# KiCad board USB_panel.kicad_pcb (continued)
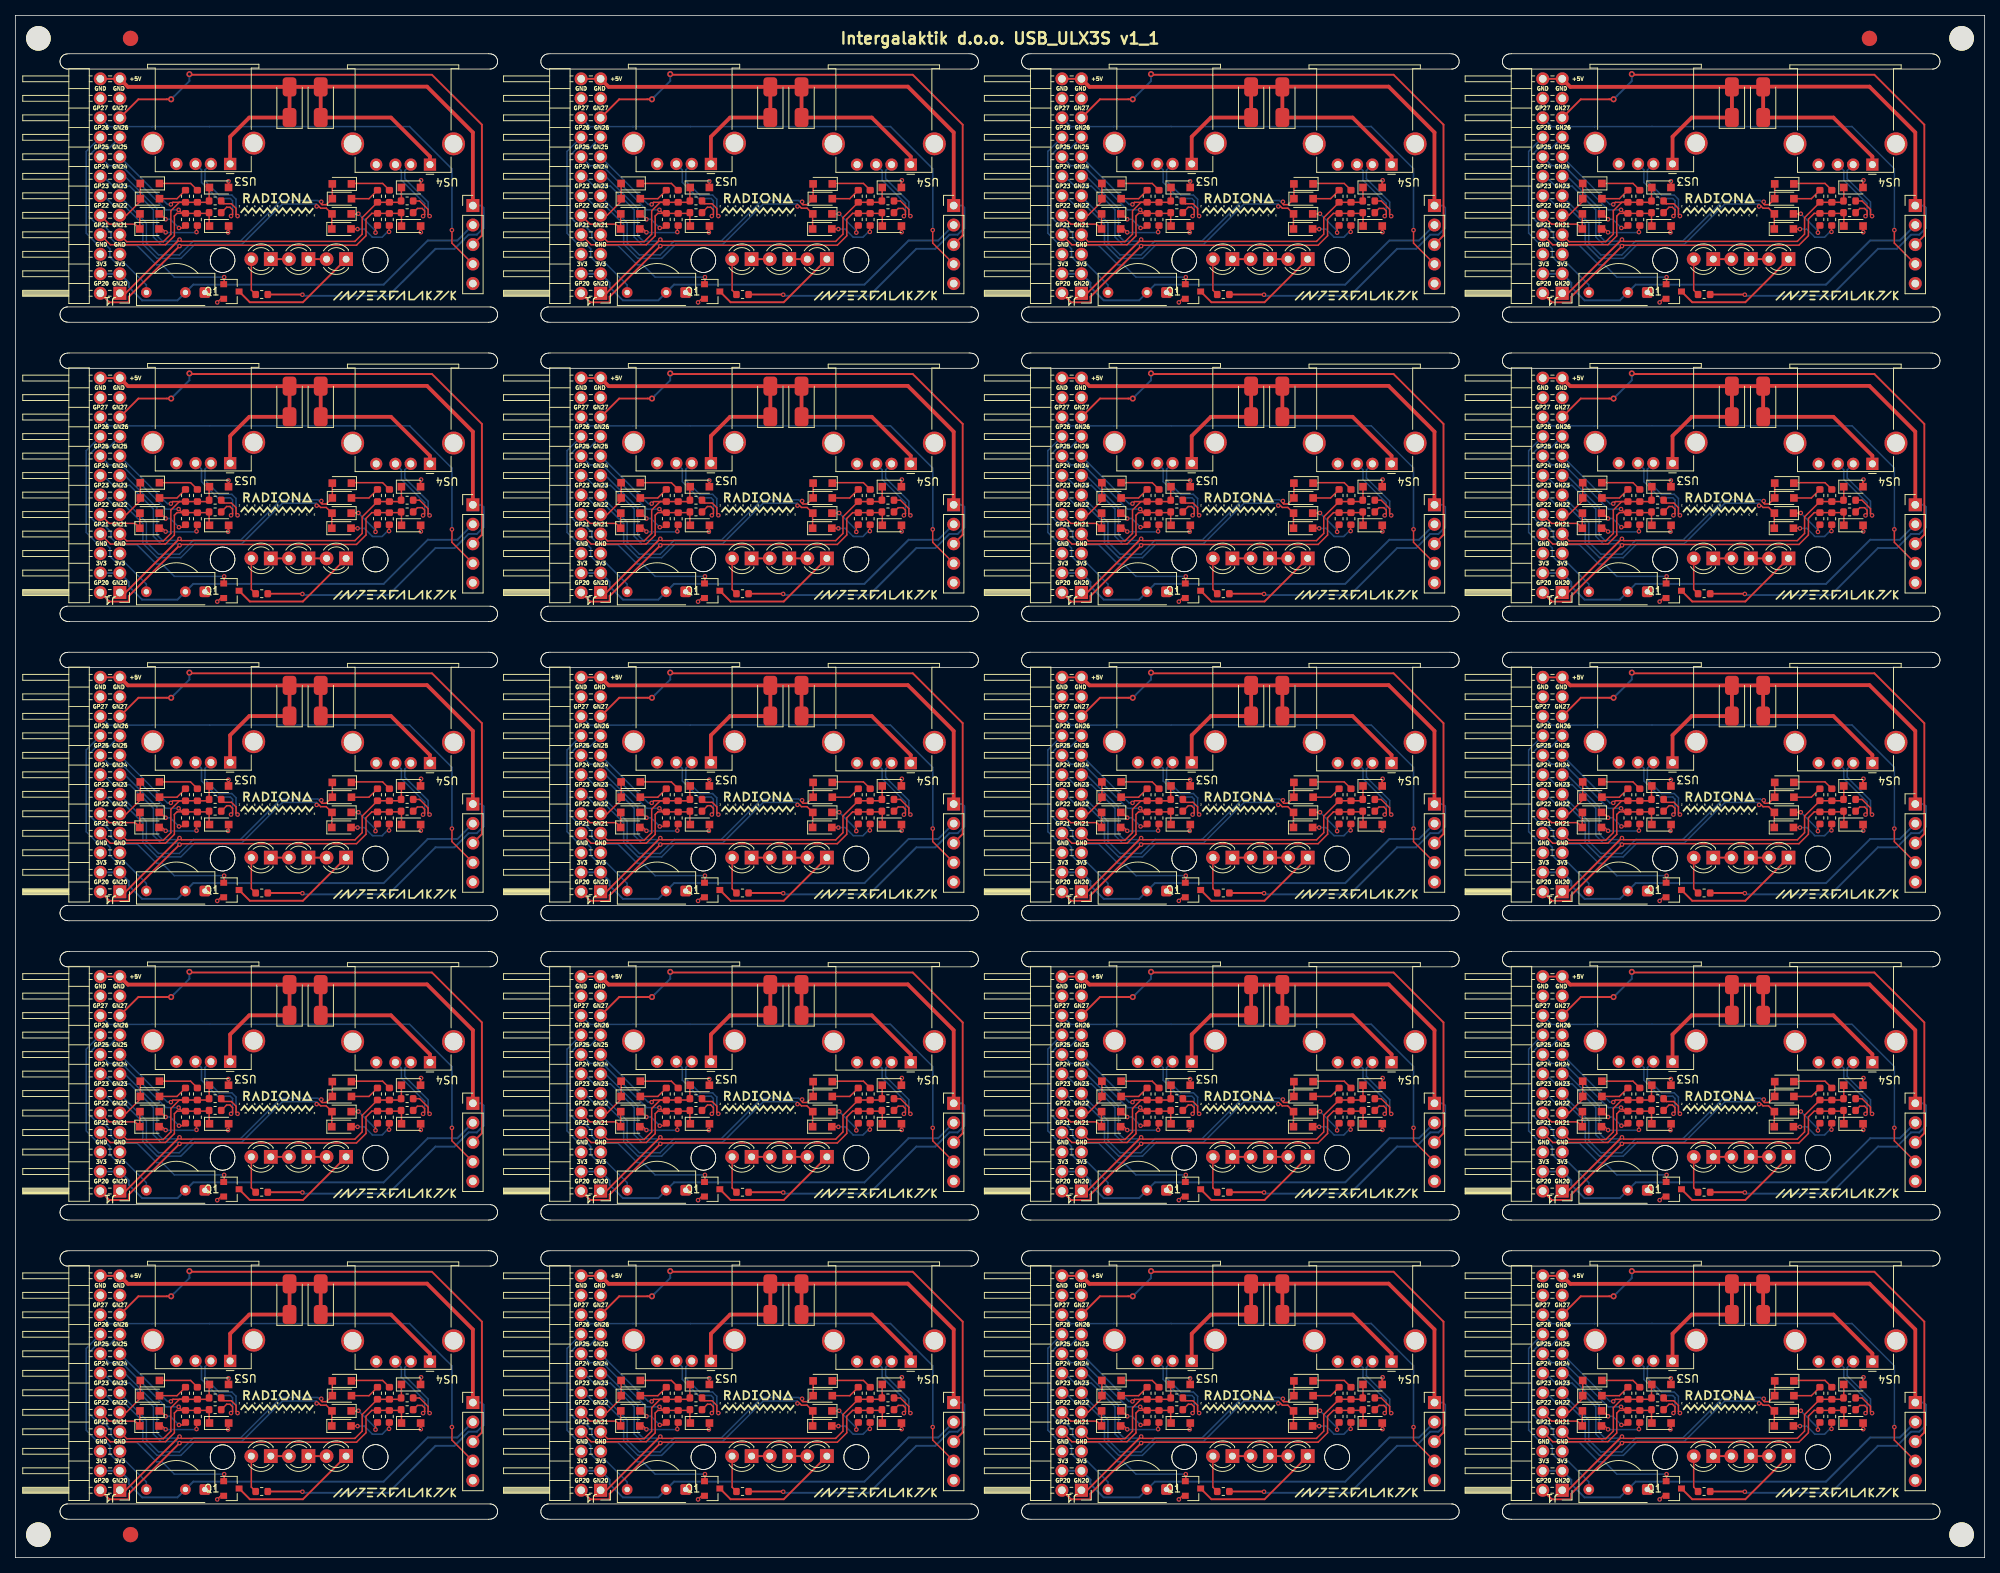
[diagram p0: board, top side]
## Routing (per net, layer and track width the routed paths; a pad name or vN(x,y) marks a point on that pad's centre or on a via; arc(x,y) is an arc through that point) (continued)
  Bottom w0.25: v1(225.21,125.55) 225.35,125.41 236.42,125.41 242.54,131.53 245.02,131.53 246.23,132.75 246.23,132.76 246.85,133.37 247.92,133.37 248.8,134.25 248.8,136.88 248.51,137.17 J2#8.1
Board_7-/FPD1+: length 12.6
  Top w0.2: v1(215.91,135.8) 216.11,136 216.11,136.61 215.77,136.95 215.35,136.95 R6#17.2
  Bottom w0.2: US3#18.3 212.07,141.82 212.07,140.18 214.17,138.09 215.83,138.09 216.11,137.8 216.11,136 v1(215.91,135.8)
Board_7-/FPD1-: length 13.2
  Top w0.2: v1(216.77,135.8) 216.57,136 216.57,136.8 215.96,137.4 215,137.4 R5#12.2
  Bottom w0.2: v1(216.77,135.8) 216.57,136 216.57,137.99 216.01,138.54 214.35,138.54 212.52,140.37 212.52,141.82 US3#18.2
Board_7-/FPD2+: length 11
  Top w0.2: v1(240.92,135.79) 241.12,135.99 241.12,136.48 240.81,136.79 240.19,136.79 R12#5.2
  Bottom w0.2: v1(240.92,135.79) 241.12,135.99 241.12,137.45 238.09,140.48 238.09,141.73 US4#11.3
Board_7-/FPD2-: length 12.4
  Top w0.2: 238.62,142.69 239.07,143.14 ; R11#6.2 240.47,137.77 241.58,136.67 241.58,135.99 v1(241.78,135.79)
  Bottom w0.2: v1(241.78,135.79) 241.58,135.99 241.58,137.64 238.55,140.67 238.55,141.73 US4#11.2
Board_7-GN26: length 35.1
  Top w0.2: v1(215.02,127.84) 215.02,126.98 Q1#5.1
  Bottom w0.2: v1(215.02,127.84) 208.53,127.84 206.92,129.45 206.2,129.45 203.68,131.97 201.2,131.97 200.28,132.89 200.28,133.62 199.4,134.51 198.66,134.51 197.46,135.71 197.46,143.71 198.42,144.67 200.04,144.67 201.43,146.06
Board_7-GN27: length 68.9
  Top w0.25: J1.19 203.85,151.02 v2(208.12,151.02) ; v2(210.5,154.29) 210.58,154.21 242.08,154.21 248.58,147.7 248.58,133.27 J2#8.3
  Bottom w0.25: v2(210.5,154.29) 210.5,153.4 v2(208.12,151.02)
Board_7-GND: length 4.8
  Top w0.2: D7#17.2 215.59,140.32 v1(215.58,140.33) ; Q1#5.2 214.59,125.02 v1(214.12,124.55) ; v1(215.53,133.67) 215.61,133.75 D5#4.2
  Top w0.25: v1(240.63,133.7) 240.61,133.73 D12#7.2 ; v1(240.66,140.46) 240.59,140.4 D14#15.2
  Bottom w0.5: 231.5,145.85 231.86,145.85
Board_7-GP26: length 25.5
  Bottom w0.2: U1.3 204.89,126.83 202.15,129.57 201.06,129.57 200.14,130.49 200.14,131.53 199.56,132.11 198.52,132.11 197.06,133.57 197.06,144.23 198.89,146.06
Board_7-GP27: length 62.1
  Top w0.2: v1(244.68,133.97) 244.68,132.28 J2#8.4
  Bottom w0.2: v1(244.68,133.97) 244.68,141.95 239.17,147.46 205.65,147.46 205.64,147.45 200.04,147.45 J1.20
Board_7-Net-(D1-K): length 4.3
  Top w0.2: v1(207.4,135.38) 206.7,136.08 D1#3.1 ; R1#15.1 209.66,134.25 v1(209.13,134.25)
  Bottom w0.2: v1(207.4,135.38) 208,135.38 v1(209.13,134.25)
Board_7-Net-(D2-A): length 6
  Top w0.2: D2#19.2 206.96,134.12 v1(207.4,133.68) ; R2#18.1 211.42,134.45 v1(211.42,133.71)
  Bottom w0.2: v1(211.42,133.71) 211.36,133.65 207.43,133.65 v1(207.4,133.68)
Board_7-Net-(D3-K): length 5.3
  Top w0.2: D3#7.1 210.65,140.05 R3#2.2
Board_7-Net-(D4-A): length 3.8
  Top w0.2: R4#2.1 208.88,138.06 D4#5.2
Board_7-Net-(D8-K): length 5.4
  Top w0.2: v1(234.73,133.64) 234.73,134.32 R7#11.1 ; D8#8.1 232.48,136.08 v1(232.5,136.1)
  Bottom w0.2: v1(232.5,136.1) 234.73,133.87 v1(234.73,133.64)
Board_7-Net-(D9-A): length 6.5
  Top w0.2: D9#13.2 232.37,134.12 v1(232.39,134.1) ; v1(236.49,133.74) 236.49,134.53 R8#13.1
  Bottom w0.2: v1(232.39,134.1) 233.28,134.1 234.34,133.04 235.59,133.04 236.29,133.74 v1(236.49,133.74)
Board_7-Net-(D10-K): length 5.3
  Top w0.2: R9#16.2 235.66,140.05 231.6,140.05
Board_7-Net-(D11-A): length 3.8
  Top w0.2: R10#4.1 233.88,138.06 D11#5.2
Board_7-Net-(D15-A): length 4.8
  Top w0.2: R13#18.2 218.56,126.15 D15#18.2
Board_7-Net-(D15-K): length 2.4
  Top w0.25: D15#18.1 D16#16.2
Board_7-Net-(D16-K): length 2.4
  Top w0.25: D16#16.1 D17.2
Board_7-Net-(D17-K): length 16.8
  Top w0.25: D17.1 225.28,124.57 218.36,124.57 Q1#5.3
Board_7-USB1_FPGA_D+: length 33.9
  Top w0.2: J1.8 200.19,132.06 207.38,132.06 208.53,133.22 208.53,135.81 208.88,136.15 R1#15.2 ; R1#15.2 212.97,136.15 R6#17.1 213.06,134.55 D5#4.1 ; R1#15.2 209.55,136.15 v1(209.09,136.61)
  Bottom w0.2: v1(209.09,136.61) 207.43,136.61 201.67,142.37 200.04,142.37 J1.16
Board_7-USB1_FPGA_D-: length 29
  Top w0.2: R4#2.2 209.19,137.6 208.09,136.49 208.09,133.45 207.1,132.46 202.33,132.46 J1.7 ; R4#2.2 211.53,137.6 R3#2.1 212.88,137.59 R5#12.1 213.06,139.49 D7#17.1 ; R4#2.2 208.35,137.6 v1(208.08,137.32)
  Bottom w0.2: J1.15 207.63,137.32 v1(208.08,137.32)
Board_7-USB1_FPGA_PULL_D+: length 7.9
  Top w0.2: D1#3.2 204.04,136.06 D2#19.1 203.41,134.75 200.04,134.75 198.89,135.9
Board_7-USB1_FPGA_PULL_D-: length 5.8
  Top w0.2: D3#7.2 D4#5.1 204.1,137.71 202.29,135.9 201.43,135.9
Board_7-USB2_FPGA_D+: length 64.1
  Top w0.2: D12#7.1 238.11,136.19 R12#5.1 237.97,136.15 R7#11.2 234.25,136.15 233.49,135.39 233.49,133.24 232.26,132.01 209.33,132.01 v1(209.21,131.89)
  Top w0.25: v1(209.21,131.89) 202.61,125.29 202.61,124.57 200.07,124.57 J1.2
  Bottom w0.2: 198.89,140.98 199.34,140.53 199.73,140.53 200.56,139.7 202.72,139.7 205.81,136.62 205.81,133.07 206.79,132.09 209.01,132.09 v1(209.21,131.89)
Board_7-USB2_FPGA_D-: length 58.3
  Top w0.2: v1(209.21,132.74) 209.44,132.51 232.05,132.51 232.99,133.45 232.99,135.6 R10#4.2 237.89,137.6 R11#6.1 238.09,137.81 D14#15.1
  Top w0.25: J1.1 202.18,125.74 209.18,132.74 v1(209.21,132.74)
  Bottom w0.2: 201.43,140.98 202.08,140.98 206.25,136.81 206.25,133.26 206.97,132.54 209.01,132.54 v1(209.21,132.74)
Board_7-USB2_FPGA_PULL_D+: length 40.7
  Top w0.2: D9#13.1 229.04,136.06 D8#8.2 228.32,136.83 227.59,136.83 227.35,137.06 v1(227.07,137.06)
  Bottom w0.2: v1(227.07,137.06) 227.07,137.35 227.04,137.38 222.6,137.38 217.34,132.12 211.2,132.12 209.37,130.29 206.29,130.29 204.44,132.14 204.44,134.72 201.98,137.17 200.6,137.17 199.33,138.44 J1.12
Board_7-USB2_FPGA_PULL_D-: length 38.1
  Top w0.2: 229.1,140.05 D11#5.1 228.32,137.28 227.77,137.28 227.67,137.38 v1(227.67,137.66)
  Bottom w0.2: J1.11 201.43,138.37 204.88,134.92 204.88,132.33 206.47,130.74 209.19,130.74 211.02,132.57 217.16,132.57 222.42,137.83 227.22,137.83 227.39,137.66 v1(227.67,137.66)
Board_8-+3V3: length 54.3
  Bottom w0.25: J2#5.2 57.56,93.63 53.7,93.63 47.95,87.88 23.17,87.88 U1#12.2 21.11,85.83 16.5,85.83 14.78,87.56 14.78,88.12 J1#17.3 J1#17.4
Board_8-+5V: length 134.7
  Top w0.2: D13#16.2 39.81,113.6
  Top w0.25: J1#17.24 J1#17.23 ; v1(37.38,86.57) 37.35,86.6 R13#5.1
  Top w0.5: D6#2.2 D6#2.1 30.46,109.65 27.97,107.15 US3#13.1 ; D6#2.2 D13#16.2 ; D6#2.2 14.65,113.65 J1#17.23 ; D13#16.2 D13#16.1 48.91,109.65 53.99,104.57 US4#10.1 ; D13#16.2 39.8,113.68 53.61,113.68 59.58,107.71 J2#5.1
  Bottom w0.25: J2#5.1 60.68,98.18 60.97,97.9 60.97,95.26 60.09,94.39 59.02,94.39 58.4,93.77 58.4,93.76 57.19,92.55 54.71,92.55 48.59,86.43 37.52,86.43 v1(37.38,86.57)
Board_8-/FPD1+: length 12.6
  Top w0.2: R6#12.2 27.52,97.96 27.94,97.96 28.28,97.62 28.28,97.02 v1(28.08,96.82)
  Bottom w0.2: US3#13.3 24.24,102.83 24.24,101.2 26.34,99.1 28,99.1 28.28,98.81 28.28,97.02 v1(28.08,96.82)
Board_8-/FPD1-: length 13.2
  Top w0.2: R5#10.2 27.17,98.41 28.13,98.41 28.74,97.81 28.74,97.02 v1(28.93,96.82)
  Bottom w0.2: v1(28.93,96.82) 28.74,97.02 28.74,99 28.18,99.55 26.52,99.55 24.69,101.38 24.69,102.83 US3#13.2
Board_8-/FPD2+: length 11
  Top w0.2: R12#14.2 52.36,97.81 52.98,97.81 53.29,97.49 53.29,97.01 v1(53.09,96.81)
  Bottom w0.2: US4#10.3 50.26,102.74 50.26,101.49 53.29,98.46 53.29,97.01 v1(53.09,96.81)
Board_8-/FPD2-: length 12.4
  Top w0.2: R11#4.2 52.64,98.78 53.75,97.68 53.75,97.01 v1(53.95,96.81) ; 50.79,103.7 51.24,104.15
  Bottom w0.2: US4#10.2 50.72,102.74 50.72,101.68 53.75,98.65 53.75,97.01 v1(53.95,96.81)
Board_8-GN26: length 35.1
  Top w0.2: Q1#6.1 27.19,88 v1(27.19,88.86)
  Bottom w0.2: v1(27.19,88.86) 20.7,88.86 19.09,90.47 18.37,90.47 15.85,92.99 13.37,92.99 12.45,93.9 12.45,94.64 11.57,95.52 10.83,95.52 9.63,96.72 9.63,104.73 10.59,105.68 12.21,105.68 J1#17.17
Board_8-GN27: length 68.9
  Top w0.25: J1#17.19 16.02,112.03 v2(20.29,112.03) ; J2#5.3 60.75,94.28 60.75,108.72 54.25,115.22 22.75,115.22 v2(22.67,115.3)
  Bottom w0.25: v2(20.29,112.03) 22.67,114.41 v2(22.67,115.3)
Board_8-GND: length 4.8
  Top w0.2: Q1#6.2 26.76,86.04 v1(26.29,85.57) ; D5.2 27.78,94.76 v1(27.7,94.69) ; v1(27.75,101.35) 27.76,101.33 D7#14.2
  Top w0.25: D12#9.2 52.78,94.74 v1(52.8,94.72) ; v1(52.83,101.48) 52.77,101.41 D14#6.2
  Bottom w0.5: 43.67,106.86 44.03,106.86
Board_8-GP26: length 25.5
  Bottom w0.2: U1#12.3 17.06,87.85 14.32,90.59 13.23,90.59 12.31,91.5 12.31,92.55 11.73,93.13 10.69,93.13 9.23,94.58 9.23,105.24 J1#17.18
Board_8-GP27: length 62.1
  Top w0.2: v1(56.85,94.99) 56.85,93.29 J2#5.4
  Bottom w0.2: J1#17.20 12.21,108.46 17.81,108.46 17.82,108.48 51.34,108.48 56.85,102.97 v1(56.85,94.99)
Board_8-Net-(D1-K): length 4.3
  Top w0.2: R1#5.1 21.83,95.27 v1(21.3,95.27) ; v1(19.57,96.4) 18.87,97.1 D1#17.1
  Bottom w0.2: v1(21.3,95.27) 20.17,96.4 v1(19.57,96.4)
Board_8-Net-(D2-A): length 6
  Top w0.2: D2#12.2 19.13,95.14 v1(19.57,94.7) ; v1(23.59,94.73) 23.59,95.46 R2#16.1
  Bottom w0.2: v1(23.59,94.73) 23.53,94.67 19.6,94.67 v1(19.57,94.7)
Board_8-Net-(D3-K): length 5.3
  Top w0.2: R3.2 22.82,101.07 D3.1
Board_8-Net-(D4-A): length 3.8
  Top w0.2: D4#13.2 21.05,99.08 R4#14.1
Board_8-Net-(D8-K): length 5.4
  Top w0.2: v1(44.67,97.12) 44.65,97.1 D8#4.1 ; R7#9.1 46.9,95.33 v1(46.9,94.66)
  Bottom w0.2: v1(44.67,97.12) 46.9,94.89 v1(46.9,94.66)
Board_8-Net-(D9-A): length 6.5
  Top w0.2: v1(44.56,95.12) 44.54,95.14 D9#3.2 ; v1(48.66,94.76) 48.66,95.54 R8#19.1
  Bottom w0.2: v1(48.66,94.76) 48.46,94.76 47.76,94.06 46.51,94.06 45.45,95.12 v1(44.56,95.12)
Board_8-Net-(D10-K): length 5.3
  Top w0.2: 43.77,101.07 47.83,101.07 R9#14.2
Board_8-Net-(D11-A): length 3.8
  Top w0.2: D11#4.2 46.05,99.08 R10#17.1
Board_8-Net-(D15-A): length 4.8
  Top w0.2: D15#17.2 30.73,87.16 R13#5.2
Board_8-Net-(D15-K): length 2.4
  Top w0.25: D15#17.1 D16#12.2
Board_8-Net-(D16-K): length 2.4
  Top w0.25: D16#12.1 D17#14.2
Board_8-Net-(D17-K): length 16.8
  Top w0.25: D17#14.1 37.45,85.59 30.53,85.59 Q1#6.3
Board_8-USB1_FPGA_D+: length 33.9
  Top w0.2: v1(21.26,97.63) 21.72,97.16 R1#5.2 ; R1#5.2 25.14,97.16 R6#12.1 25.23,95.56 D5.1 ; R1#5.2 21.05,97.16 20.71,96.82 20.71,94.23 19.55,93.08 12.36,93.08 J1#17.8
  Bottom w0.2: J1#17.16 12.21,103.38 13.84,103.38 19.6,97.63 v1(21.26,97.63)
Board_8-USB1_FPGA_D-: length 29
  Top w0.2: v1(20.25,98.34) 20.52,98.61 R4#14.2 ; J1#17.7 14.5,93.48 19.27,93.48 20.25,94.46 20.25,97.5 21.36,98.61 R4#14.2 ; R4#14.2 23.7,98.61 R3.1 25.05,98.61 R5#10.1 25.23,100.51 D7#14.1
  Bottom w0.2: v1(20.25,98.34) 19.8,98.34 J1#17.15
Board_8-USB1_FPGA_PULL_D+: length 7.9
  Top w0.2: J1#17.10 12.21,95.76 15.58,95.76 D2#12.1 16.21,97.08 D1#17.2
Board_8-USB1_FPGA_PULL_D-: length 5.8
  Top w0.2: J1#17.9 14.46,96.91 16.27,98.73 D4#13.1 D3.2
Board_8-USB2_FPGA_D+: length 64.1
  Top w0.2: v1(21.38,92.9) 21.5,93.02 44.43,93.02 45.66,94.25 45.66,96.41 46.42,97.16 R7#9.2 50.14,97.16 R12#14.1 50.28,97.21 D12#9.1
  Top w0.25: v1(21.38,92.9) 14.78,86.3 14.78,85.58 12.24,85.58 J1#17.2
  Bottom w0.2: J1#17.14 11.51,101.54 11.9,101.54 12.73,100.72 14.89,100.72 17.97,97.63 17.97,94.08 18.96,93.1 21.18,93.1 v1(21.38,92.9)
Board_8-USB2_FPGA_D-: length 58.3
  Top w0.2: D14#6.1 50.27,98.82 R11#4.1 50.06,98.61 R10#17.2 45.16,96.61 45.16,94.46 44.22,93.52 21.61,93.52 v1(21.38,93.75)
  Top w0.25: J1#17.1 14.35,86.75 21.35,93.75 v1(21.38,93.75)
  Bottom w0.2: J1#17.13 14.25,101.99 18.43,97.82 18.43,94.27 19.14,93.55 21.18,93.55 v1(21.38,93.75)
Board_8-USB2_FPGA_PULL_D+: length 40.7
  Top w0.2: D9#3.1 41.21,97.08 D8#4.2 40.49,97.84 39.76,97.84 39.52,98.08 v1(39.24,98.08)
  Bottom w0.2: v1(39.24,98.08) 39.24,98.36 39.21,98.39 34.77,98.39 29.51,93.13 23.37,93.13 21.54,91.3 18.46,91.3 16.61,93.15 16.61,95.73 14.15,98.19 12.77,98.19 11.5,99.45 11.06,99.45
Board_8-USB2_FPGA_PULL_D-: length 38.1
  Top w0.2: v1(39.84,98.68) 39.84,98.39 39.94,98.29 40.49,98.29 D11#4.1 41.27,101.07
  Bottom w0.2: 13.6,99.45 13.6,99.38 17.06,95.93 17.06,93.34 18.64,91.75 21.36,91.75 23.19,93.58 29.33,93.58 34.59,98.84 39.39,98.84 39.56,98.68 v1(39.84,98.68)
Board_9-+3V3: length 54.3
  Bottom w0.25: J2#12.2 120.18,93.63 116.31,93.63 110.56,87.88 85.78,87.88 U1#4.2 83.73,85.83 79.12,85.83 77.39,87.56 77.39,88.12 J1#9.3 J1#9.4
Board_9-+5V: length 134.7
  Top w0.2: D13.2 102.42,113.6
  Top w0.25: R13#6.1 99.96,86.6 v1(99.99,86.57) ; J1#9.24 J1#9.23
  Top w0.5: D6#18.2 77.26,113.65 J1#9.23 ; D6#18.2 D6#18.1 93.07,109.65 90.58,107.15 US3#5.1 ; D6#18.2 D13.2 ; J2#12.1 122.19,107.71 116.22,113.68 102.41,113.68 D13.2 ; D13.2 D13.1 111.52,109.65 116.6,104.57 US4#5.1
  Bottom w0.25: J2#12.1 123.29,98.18 123.58,97.9 123.58,95.26 122.7,94.39 121.63,94.39 121.01,93.77 121.01,93.76 119.8,92.55 117.32,92.55 111.2,86.43 100.13,86.43 v1(99.99,86.57)
Board_9-/FPD1+: length 12.6
  Top w0.2: v1(90.7,96.82) 90.89,97.02 90.89,97.62 90.55,97.96 90.13,97.96 R6#18.2
  Bottom w0.2: v1(90.7,96.82) 90.89,97.02 90.89,98.81 90.61,99.1 88.95,99.1 86.85,101.2 86.85,102.83 US3#5.3
Board_9-/FPD1-: length 13.2
  Top w0.2: R5#6.2 89.78,98.41 90.74,98.41 91.35,97.81 91.35,97.02 v1(91.55,96.82)
  Bottom w0.2: v1(91.55,96.82) 91.35,97.02 91.35,99 90.79,99.55 89.13,99.55 87.3,101.38 87.3,102.83 US3#5.2
Board_9-/FPD2+: length 11
  Top w0.2: R12#10.2 114.97,97.81 115.59,97.81 115.9,97.49 115.9,97.01 v1(115.71,96.81)
  Bottom w0.2: US4#5.3 112.87,102.74 112.87,101.49 115.9,98.46 115.9,97.01 v1(115.71,96.81)
Board_9-/FPD2-: length 12.4
  Top w0.2: v1(116.56,96.81) 116.36,97.01 116.36,97.68 115.25,98.78 R11#17.2 ; 113.4,103.7 113.85,104.15
  Bottom w0.2: US4#5.2 113.33,102.74 113.33,101.68 116.36,98.65 116.36,97.01 v1(116.56,96.81)
Board_9-GN26: length 35.1
  Top w0.2: Q1#16.1 89.8,88 v1(89.8,88.86)
  Bottom w0.2: J1#9.17 74.82,105.68 73.2,105.68 72.24,104.73 72.24,96.72 73.44,95.52 74.18,95.52 75.06,94.64 75.06,93.9 75.98,92.99 78.46,92.99 80.98,90.47 81.7,90.47 83.31,88.86 v1(89.8,88.86)
Board_9-GN27: length 68.9
  Top w0.25: v2(85.28,115.3) 85.36,115.22 116.86,115.22 123.36,108.72 123.36,94.28 J2#12.3 ; v2(82.9,112.03) 78.63,112.03 J1#9.19
  Bottom w0.25: v2(82.9,112.03) 85.28,114.41 v2(85.28,115.3)
Board_9-GND: length 4.8
  Top w0.2: D7#7.2 90.38,101.33 v1(90.36,101.35) ; D5#11.2 90.39,94.76 v1(90.31,94.69) ; Q1#16.2 89.37,86.04 v1(88.9,85.57)
  Top w0.25: v1(115.41,94.72) 115.39,94.74 D12#13.2 ; v1(115.44,101.48) 115.38,101.41 D14#3.2
  Bottom w0.5: 106.28,106.86 106.64,106.86
Board_9-GP26: length 25.5
  Bottom w0.2: J1#9.18 71.84,105.24 71.84,94.58 73.3,93.13 74.34,93.13 74.92,92.55 74.92,91.5 75.84,90.59 76.93,90.59 79.67,87.85 U1#4.3
Board_9-GP27: length 62.1
  Top w0.2: v1(119.46,94.99) 119.46,93.29 J2#12.4
  Bottom w0.2: J1#9.20 74.82,108.46 80.42,108.46 80.43,108.48 113.95,108.48 119.46,102.97 v1(119.46,94.99)
Board_9-Net-(D1-K): length 4.3
  Top w0.2: R1#12.1 84.44,95.27 v1(83.91,95.27) ; v1(82.18,96.4) 81.48,97.1 D1#5.1
  Bottom w0.2: v1(82.18,96.4) 82.78,96.4 v1(83.91,95.27)
Board_9-Net-(D2-A): length 6
  Top w0.2: v1(82.18,94.7) 81.74,95.14 D2#17.2 ; v1(86.2,94.73) 86.2,95.46 R2#15.1
  Bottom w0.2: v1(86.2,94.73) 86.14,94.67 82.21,94.67 v1(82.18,94.7)
Board_9-Net-(D3-K): length 5.3
  Top w0.2: D3#18.1 85.43,101.07 R3#18.2
Board_9-Net-(D4-A): length 3.8
  Top w0.2: D4#16.2 83.66,99.08 R4#9.1
Board_9-Net-(D8-K): length 5.4
  Top w0.2: R7#5.1 109.51,95.33 v1(109.51,94.66) ; D8#14.1 107.26,97.1 v1(107.28,97.12)
  Bottom w0.2: v1(107.28,97.12) 109.51,94.89 v1(109.51,94.66)
Board_9-Net-(D9-A): length 6.5
  Top w0.2: v1(107.17,95.12) 107.15,95.14 D9#9.2 ; R8#2.1 111.27,95.54 v1(111.27,94.76)
  Bottom w0.2: v1(111.27,94.76) 111.07,94.76 110.37,94.06 109.12,94.06 108.06,95.12 v1(107.17,95.12)
Board_9-Net-(D10-K): length 5.3
  Top w0.2: 106.38,101.07 110.44,101.07 R9#19.2
Board_9-Net-(D11-A): length 3.8
  Top w0.2: D11#19.2 108.66,99.08 R10#9.1
Board_9-Net-(D15-A): length 4.8
  Top w0.2: D15#13.2 93.34,87.16 R13#6.2
Board_9-Net-(D15-K): length 2.4
  Top w0.25: D15#13.1 D16#18.2
Board_9-Net-(D16-K): length 2.4
  Top w0.25: D16#18.1 D17#10.2
Board_9-Net-(D17-K): length 16.8
  Top w0.25: Q1#16.3 93.14,85.59 100.06,85.59 D17#10.1
Board_9-USB1_FPGA_D+: length 33.9
  Top w0.2: R1#12.2 87.75,97.16 R6#18.1 87.84,95.56 D5#11.1 ; R1#12.2 83.66,97.16 83.31,96.82 83.31,94.23 82.16,93.08 74.97,93.08 J1#9.8 ; R1#12.2 84.33,97.16 v1(83.87,97.63)
  Bottom w0.2: J1#9.16 74.82,103.38 76.45,103.38 82.21,97.63 v1(83.87,97.63)
Board_9-USB1_FPGA_D-: length 29
  Top w0.2: D7#7.1 87.84,100.51 R5#6.1 87.66,98.61 R3#18.1 86.31,98.61 R4#9.2 ; J1#9.7 77.11,93.48 81.88,93.48 82.87,94.46 82.87,97.5 83.97,98.61 R4#9.2 ; v1(82.86,98.34) 83.13,98.61 R4#9.2
  Bottom w0.2: J1#9.15 82.41,98.34 v1(82.86,98.34)
Board_9-USB1_FPGA_PULL_D+: length 7.9
  Top w0.2: J1#9.10 74.82,95.76 78.19,95.76 D2#17.1 78.82,97.08 D1#5.2
Board_9-USB1_FPGA_PULL_D-: length 5.8
  Top w0.2: J1#9.9 77.07,96.91 78.88,98.73 D4#16.1 D3#18.2
Board_9-USB2_FPGA_D+: length 64.1
  Top w0.2: D12#13.1 112.89,97.21 R12#10.1 112.75,97.16 R7#5.2 109.03,97.16 108.27,96.41 108.27,94.25 107.04,93.02 84.11,93.02 v1(83.99,92.9)
  Top w0.25: v1(83.99,92.9) 77.39,86.3 77.39,85.58 74.85,85.58 J1#9.2
  Bottom w0.2: J1#9.14 74.12,101.54 74.51,101.54 75.34,100.72 77.5,100.72 80.59,97.63 80.59,94.08 81.57,93.1 83.79,93.1 v1(83.99,92.9)
Board_9-USB2_FPGA_D-: length 58.3
  Top w0.2: v1(83.99,93.75) 84.22,93.52 106.83,93.52 107.77,94.46 107.77,96.61 R10#9.2 112.66,98.61 R11#17.1 112.88,98.82 D14#3.1
  Top w0.25: J1#9.1 76.96,86.75 83.96,93.75 v1(83.99,93.75)
  Bottom w0.2: v1(83.99,93.75) 83.79,93.55 81.75,93.55 81.04,94.27 81.04,97.82 76.86,101.99 J1#9.13
Board_9-USB2_FPGA_PULL_D+: length 40.7
  Top w0.2: D9#9.1 103.82,97.08 D8#14.2 103.1,97.84 102.37,97.84 102.13,98.08 v1(101.85,98.08)
  Bottom w0.2: 73.67,99.45 74.11,99.45 75.38,98.19 76.76,98.19 79.22,95.73 79.22,93.15 81.07,91.3 84.15,91.3 85.98,93.13 92.12,93.13 97.38,98.39 101.82,98.39 101.85,98.36 v1(101.85,98.08)
Board_9-USB2_FPGA_PULL_D-: length 38.1
  Top w0.2: 103.88,101.07 D11#19.1 103.1,98.29 102.55,98.29 102.45,98.39 v1(102.45,98.68)
  Bottom w0.2: v1(102.45,98.68) 102.17,98.68 102,98.84 97.2,98.84 91.94,93.58 85.8,93.58 83.97,91.75 81.25,91.75 79.67,93.34 79.67,95.93 76.21,99.38 76.21,99.45
Board_10-+3V3: length 54.3
  Bottom w0.25: J1#14.4 J1#14.3 140,88.12 140,87.56 141.72,85.83 146.34,85.83 U1#18.2 148.38,87.88 173.18,87.88 178.93,93.63 182.78,93.63 J2#2.2
Board_10-+5V: length 134.7
  Top w0.2: D13#10.2 165.03,113.6
  Top w0.25: J1#14.24 J1#14.23 ; R13#13.1 162.57,86.6 v1(162.6,86.57)
  Top w0.5: J1#14.23 139.87,113.65 D6#17.2 ; D13#10.2 165.02,113.68 178.83,113.68 184.8,107.71 J2#2.1 ; D13#10.2 D6#17.2 ; D13#10.2 D13#10.1 174.13,109.65 179.21,104.57 US4#20.1 ; D6#17.2 D6#17.1 155.68,109.65 153.19,107.15 US3#8.1
  Bottom w0.25: v1(162.6,86.57) 162.74,86.43 173.81,86.43 179.93,92.55 182.41,92.55 183.62,93.76 183.62,93.77 184.24,94.39 185.31,94.39 186.19,95.26 186.19,97.9 185.9,98.18 J2#2.1
Board_10-/FPD1+: length 12.6
  Top w0.2: v1(153.31,96.82) 153.5,97.02 153.5,97.62 153.16,97.96 152.74,97.96 R6#16.2
  Bottom w0.2: US3#8.3 149.46,102.83 149.46,101.2 151.56,99.1 153.22,99.1 153.5,98.81 153.5,97.02 v1(153.31,96.82)
Board_10-/FPD1-: length 13.2
  Top w0.2: v1(154.16,96.82) 153.96,97.02 153.96,97.81 153.35,98.41 152.39,98.41 R5.2
  Bottom w0.2: v1(154.16,96.82) 153.96,97.02 153.96,99 153.4,99.55 151.74,99.55 149.91,101.38 149.91,102.83 US3#8.2
Board_10-/FPD2+: length 11
  Top w0.2: v1(178.31,96.81) 178.51,97.01 178.51,97.49 178.2,97.81 177.58,97.81 R12#19.2
  Bottom w0.2: US4#20.3 175.48,102.74 175.48,101.49 178.51,98.46 178.51,97.01 v1(178.31,96.81)
Board_10-/FPD2-: length 12.4
  Top w0.2: R11#13.2 177.86,98.78 178.97,97.68 178.97,97.01 v1(179.16,96.81) ; 176.01,103.7 176.46,104.15
  Bottom w0.2: v1(179.16,96.81) 178.97,97.01 178.97,98.65 175.94,101.68 175.94,102.74 US4#20.2
Board_10-GN26: length 35.1
  Top w0.2: Q1#7.1 152.41,88 v1(152.41,88.86)
  Bottom w0.2: J1#14.17 137.43,105.68 135.81,105.68 134.85,104.73 134.85,96.72 136.05,95.52 136.79,95.52 137.67,94.64 137.67,93.9 138.59,92.99 141.07,92.99 143.59,90.47 144.31,90.47 145.92,88.86 v1(152.41,88.86)
Board_10-GN27: length 68.9
  Top w0.25: v2(147.89,115.3) 147.97,115.22 179.47,115.22 185.97,108.72 185.97,94.28 J2#2.3 ; v2(145.51,112.03) 141.24,112.03 J1#14.19
  Bottom w0.25: v2(147.89,115.3) 147.89,114.41 v2(145.51,112.03)
Board_10-GND: length 4.8
  Top w0.2: D7#9.2 152.99,101.33 v1(152.97,101.35) ; v1(152.92,94.69) 153,94.76 D5#13.2 ; v1(151.51,85.57) 151.98,86.04 Q1#7.2
  Top w0.25: D12#12.2 178,94.74 v1(178.02,94.72) ; D14#9.2 177.99,101.41 v1(178.05,101.48)
  Bottom w0.5: 168.89,106.86 169.25,106.86
Board_10-GP26: length 25.5
  Bottom w0.2: U1#18.3 142.28,87.85 139.54,90.59 138.45,90.59 137.53,91.5 137.53,92.55 136.95,93.13 135.91,93.13 134.45,94.58 134.45,105.24 J1#14.18
Board_10-GP27: length 62.1
  Top w0.2: J2#2.4 182.07,93.29 v1(182.07,94.99)
  Bottom w0.2: v1(182.07,94.99) 182.07,102.97 176.56,108.48 143.04,108.48 143.03,108.46 137.43,108.46 J1#14.20
Board_10-Net-(D1-K): length 4.3
  Top w0.2: v1(146.52,95.27) 147.05,95.27 R1#3.1 ; D1#6.1 144.09,97.1 v1(144.79,96.4)
  Bottom w0.2: v1(146.52,95.27) 145.39,96.4 v1(144.79,96.4)
Board_10-Net-(D2-A): length 6
  Top w0.2: D2#2.2 144.35,95.14 v1(144.79,94.7) ; R2#8.1 148.81,95.46 v1(148.81,94.73)
  Bottom w0.2: v1(148.81,94.73) 148.75,94.67 144.82,94.67 v1(144.79,94.7)
Board_10-Net-(D3-K): length 5.3
  Top w0.2: R3#9.2 148.04,101.07 D3#9.1
Board_10-Net-(D4-A): length 3.8
  Top w0.2: R4#3.1 146.27,99.08 D4#10.2
Board_10-Net-(D8-K): length 5.4
  Top w0.2: D8#6.1 169.87,97.1 v1(169.89,97.12) ; R7#12.1 172.12,95.33 v1(172.12,94.66)
  Bottom w0.2: v1(172.12,94.66) 172.12,94.89 v1(169.89,97.12)
Board_10-Net-(D9-A): length 6.5
  Top w0.2: v1(173.88,94.76) 173.88,95.54 R8#8.1 ; D9#5.2 169.76,95.14 v1(169.78,95.12)
  Bottom w0.2: v1(173.88,94.76) 173.68,94.76 172.98,94.06 171.73,94.06 170.67,95.12 v1(169.78,95.12)
Board_10-Net-(D10-K): length 5.3
  Top w0.2: R9#13.2 173.05,101.07 168.99,101.07
Board_10-Net-(D11-A): length 3.8
  Top w0.2: D11#16.2 171.27,99.08 R10#6.1
Board_10-Net-(D15-A): length 4.8
  Top w0.2: D15#14.2 155.95,87.16 R13#13.2
Board_10-Net-(D15-K): length 2.4
  Top w0.25: D15#14.1 D16#9.2
Board_10-Net-(D16-K): length 2.4
  Top w0.25: D16#9.1 D17#6.2
Board_10-Net-(D17-K): length 16.8
  Top w0.25: D17#6.1 162.67,85.59 155.75,85.59 Q1#7.3
Board_10-USB1_FPGA_D+: length 33.9
  Top w0.2: v1(146.48,97.63) 146.94,97.16 R1#3.2 ; J1#14.8 137.58,93.08 144.77,93.08 145.93,94.23 145.93,96.82 146.27,97.16 R1#3.2 ; R1#3.2 150.36,97.16 R6#16.1 150.45,95.56 D5#13.1
  Bottom w0.2: v1(146.48,97.63) 144.82,97.63 139.06,103.38 137.43,103.38 J1#14.16
Board_10-USB1_FPGA_D-: length 29
  Top w0.2: D7#9.1 150.45,100.51 R5.1 150.27,98.61 R3#9.1 148.92,98.61 R4#3.2 ; R4#3.2 146.58,98.61 145.47,97.5 145.47,94.46 144.49,93.48 139.72,93.48 J1#14.7 ; R4#3.2 145.74,98.61 v1(145.47,98.34)
  Bottom w0.2: v1(145.47,98.34) 145.02,98.34 J1#14.15
Board_10-USB1_FPGA_PULL_D+: length 7.9
  Top w0.2: D1#6.2 141.43,97.08 D2#2.1 140.8,95.76 137.43,95.76 J1#14.10
Board_10-USB1_FPGA_PULL_D-: length 5.8
  Top w0.2: J1#14.9 139.68,96.91 141.49,98.73 D4#10.1 D3#9.2
Board_10-USB2_FPGA_D+: length 64.1
  Top w0.2: v1(146.6,92.9) 146.72,93.02 169.65,93.02 170.88,94.25 170.88,96.41 171.64,97.16 R7#12.2 175.36,97.16 R12#19.1 175.5,97.21 D12#12.1
  Top w0.25: J1#14.2 137.46,85.58 140,85.58 140,86.3 v1(146.6,92.9)
  Bottom w0.2: J1#14.14 136.73,101.54 137.12,101.54 137.95,100.72 140.11,100.72 143.19,97.63 143.19,94.08 144.18,93.1 146.4,93.1 v1(146.6,92.9)
Board_10-USB2_FPGA_D-: length 58.3
  Top w0.2: D14#9.1 175.49,98.82 R11#13.1 175.28,98.61 R10#6.2 170.38,96.61 170.38,94.46 169.44,93.52 146.83,93.52 v1(146.6,93.75)
  Top w0.25: v1(146.6,93.75) 146.57,93.75 139.57,86.75 J1#14.1
  Bottom w0.2: J1#14.13 139.47,101.99 143.65,97.82 143.65,94.27 144.36,93.55 146.4,93.55 v1(146.6,93.75)
Board_10-USB2_FPGA_PULL_D+: length 40.7
  Top w0.2: D9#5.1 166.43,97.08 D8#6.2 165.71,97.84 164.98,97.84 164.74,98.08 v1(164.46,98.08)
  Bottom w0.2: 136.28,99.45 136.72,99.45 137.99,98.19 139.37,98.19 141.83,95.73 141.83,93.15 143.68,91.3 146.76,91.3 148.59,93.13 154.73,93.13 159.99,98.39 164.43,98.39 164.46,98.36 v1(164.46,98.08)
Board_10-USB2_FPGA_PULL_D-: length 38.1
  Top w0.2: 166.49,101.07 D11#16.1 165.71,98.29 165.16,98.29 165.06,98.39 v1(165.06,98.68)
  Bottom w0.2: 138.82,99.45 138.82,99.38 142.28,95.93 142.28,93.34 143.86,91.75 146.58,91.75 148.41,93.58 154.55,93.58 159.81,98.84 164.61,98.84 164.78,98.68 v1(165.06,98.68)
Board_11-+3V3: length 54.3
  Bottom w0.25: J2#11.2 245.4,93.63 241.53,93.63 235.78,87.88 211,87.88 U1#8.2 208.94,85.83 204.34,85.83 202.61,87.56 202.61,88.12 J1#4.3 J1#4.4
Board_11-+5V: length 134.7
  Top w0.2: D13#2.2 227.64,113.6
  Top w0.25: R13#11.1 225.18,86.6 v1(225.21,86.57) ; J1#4.24 J1#4.23
  Top w0.5: D6#19.2 D6#19.1 218.29,109.65 215.8,107.15 US3#19.1 ; D6#19.2 202.48,113.65 J1#4.23 ; D6#19.2 D13#2.2 ; D13#2.2 227.63,113.68 241.44,113.68 247.41,107.71 J2#11.1 ; D13#2.2 D13#2.1 236.74,109.65 241.82,104.57 US4#8.1
  Bottom w0.25: J2#11.1 248.51,98.18 248.8,97.9 248.8,95.26 247.92,94.39 246.85,94.39 246.23,93.77 246.23,93.76 245.02,92.55 242.54,92.55 236.42,86.43 225.35,86.43 v1(225.21,86.57)
